# Altium PCB UltraZOhm_CarrierBoard.PcbDoc (part 5 of 12)
Units mm, origin at the board's own origin, x right, y up, seen from the top; angles counter-clockwise.
Board outline 350 x 128 mm, 6 copper layers (Top Layer, L02_GND, L03_Sig, L04_Sig, L05_VCC, Bottom Layer), stack 2.021 mm thick; 851 components, 1243 nets, 4332 pads, 2446 vias.
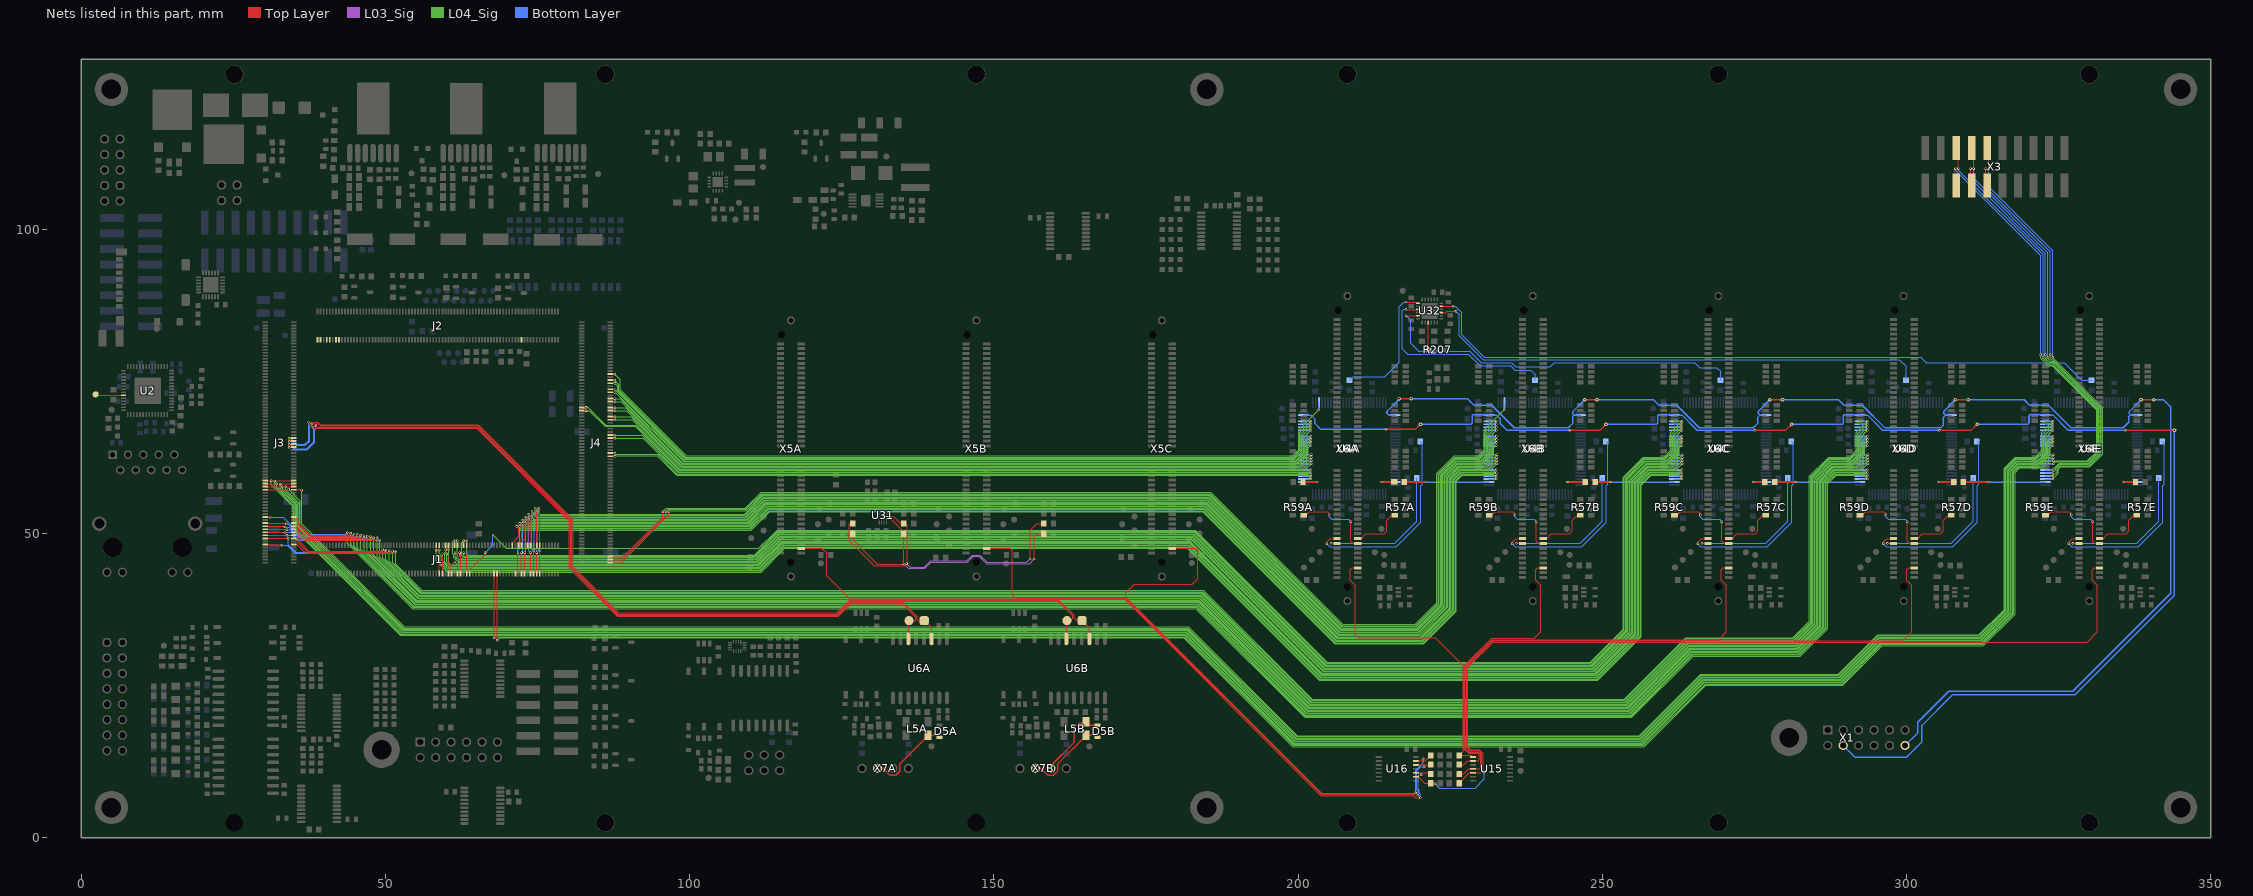
[diagram p9: the nets of this part, all layers, seen from the top]

## Via types
v1: diameter 0.4, hole 0.2, Top Layer to Bottom Layer, tented bottom, 866 vias
v2: diameter 0.4, hole 0.2, Top Layer to Bottom Layer, tented both sides, 783 vias
v3: diameter 0.6, hole 0.3, Top Layer to Bottom Layer, tented both sides, 508 vias
v4: diameter 0.6, hole 0.3, Top Layer to Bottom Layer, tented bottom, 276 vias
v5: diameter 0.5, hole 0.2, Top Layer to Bottom Layer, tented bottom, 5 vias
v6: diameter 0.5, hole 0.3, Top Layer to Bottom Layer, tented bottom, 5 vias
v7: diameter 1, hole 0.5, Top Layer to Bottom Layer, tented bottom, 2 vias
v8: diameter 0.4, hole 0.2, Top Layer to Bottom Layer, 1 vias

## Nets (pads, with @x,y where several pads share a name; then routed paths per layer and width w, separated by ;. In a path a pad name is that pad's centre, name@x,y a point inside that pad or via, vN(x,y) a via of type N, cw(c..) or ccw(c..) an arc to the next point about the centre after c; other vN are vias at no path point) (continued)
CAN_HB: D5B.1 L5B.3 X7B.2 | length 12.7
  Top Layer w0.254: X7B.2@159.366,11.443 159.366,11.875 163.188,15.698 163.188,18.085 163.976,18.873 164.94,18.873 L5B.3@165.169,19.101 165.743,18.527 D5B.1@167.037,18.527
CAN_LA: D5A.2 L5A.2 X7A.3 | length 14.2
  Top Layer w0.254: X7A.3@130.873,11.443 131.813,11.443 132.944,10.312 133.858,10.312 134.518,10.973 134.518,12.152 L5A.2@139.217,16.851 140.761,16.851 D5A.2@141.085,16.527
CAN_LB: D5B.2 L5B.2 X7B.3 | length 14.2
  Top Layer w0.254: X7B.3@156.826,11.443 157.765,11.443 158.896,10.313 159.81,10.313 160.471,10.973 160.471,12.153 L5B.2@165.169,16.851 166.713,16.851 D5B.2@167.037,16.527
CAN_RXD1: J3.77 P1A.1 U6A.3 | length 131.7
  Top Layer w0.1: v2(34.2,64.2) 34.921,64.2 J3.77@34.957,64.236 ; v1(38.587,67.709) 38.796,67.5 65.114,67.5 80.45,52.164 80.45,44.384 88.234,36.6 124.366,36.6 126.466,38.7 135.083,38.7 137.4,36.383 137.4,35.9 137.568,35.732 P1A.1@138.577,35.732
  Top Layer w0.2: P1A.1@138.577,35.732 139.759,34.55 U6A.3@139.759,32.72
  Bottom Layer w0.1: v2(34.2,64.2) 34.717,64.2 35.117,63.8 37.183,63.8 38.4,65.017 38.4,67.105 38.55,67.255 38.55,67.672 v1(38.587,67.709)
CAN_RXD2: J3.83 P1B.1 U6B.3 | length 158.4
  Top Layer w0.1: v2(34.2,65.7) 34.236,65.736 J3.83@34.957,65.736 ; v1(37.375,68.325) 37.4,68.35 38.929,68.35 39.379,67.9 65.28,67.9 80.85,52.33 80.85,44.55 88.4,37 124.2,37 126.3,39.1 160.683,39.1 163.2,36.583 163.2,36.1 163.587,35.713 P1B.1@164.509,35.713
  Top Layer w0.2: P1B.1@164.529,35.733 165.712,34.551 U6B.3@165.712,32.72
  Bottom Layer w0.1: v2(34.2,65.7) 34.5,65.7 35.5,64.7 36.8,64.7 37.4,65.3 v1@37.4,68.3
CAN_TXD1: J3.79 P1A.2 U6A.6 | length 130.9
  Top Layer w0.1: v2(34.2,64.7) 34.236,64.736 J3.79@34.957,64.736 ; v1(38.102,67.478) 38.28,67.3 65.031,67.3 80.25,52.081 80.25,44.301 88.151,36.4 124.449,36.4 126.549,38.5 135,38.5 137.2,36.3 137.2,35.9 137.012,35.712 P1A.2@136.057,35.712
  Top Layer w0.2: U6A.6@135.949,32.72 136.051,32.822 P1A.2@136.051,35.712
  Bottom Layer w0.1: v2(34.2,64.7) 34.5,64.7 35.2,64 37.1,64 38.2,65.1 38.2,67.38 v1(38.102,67.478)
CAN_TXD2: J3.81 P1B.2 U6B.6 | length 156.8
  Top Layer w0.1: v2(34.2,65.2) 34.236,65.236 J3.81@34.957,65.236 ; v1(37.8,68) 37.859,68.059 38.937,68.059 39.296,67.7 65.197,67.7 80.65,52.247 80.65,44.467 88.317,36.8 124.283,36.8 126.383,38.9 160.6,38.9 163,36.5 163,36.1 162.613,35.713 P1B.2@162.009,35.713 P1B.2@162.003,35.713
  Top Layer w0.2: U6B.6@161.902,32.72 162.003,32.822 P1B.2@162.003,35.713
  Bottom Layer w0.1: v2(34.2,65.2) 34.7,65.2 35.4,64.5 36.883,64.5 37.6,65.217 37.6,67.8 v1(37.8,68)
CLK0_N: J2.1
CLK0_P: J2.3
CLK7_N: J2.15
CLK7_P: J2.13
CLK8_N: J2.9
CLK8_P: J2.7
CLK_125MHZ: TP43.1 U2.9 | length 4.7
  Top Layer w0.15: TP43.1@2.401,72.895 2.541,72.755 U2.9@6.995,72.755
CLKIN: R207.1 U32.21 | length 4.5
  Top Layer w0.2: U32.21@221.354,84.699 221.354,80.302 R207.1@221.451,80.205
COLLECTIVE_A_FLT1: R116.2 U16.10 X5A.78 | length 128.3
  Top Layer w0.1: X5A.78@118.34,47.6 121.75,47.6 122.5,46.85 122.5,43.1 126.3,39.3 171.4,39.3 203.725,6.975 218.947,6.975 219.272,6.65 220.05,6.65 v1(220.1,6.6) ; U16.10@219.347,10.713 219.887,10.713 ; v1(220.2,10.4) 219.887,10.713 ; R116.2@221.791,10.519 221.597,10.713 219.887,10.713
  Bottom Layer w0.1: v1(220.1,6.6) 220.1,7.2 219.9,7.4 219.9,7.783 219.7,7.983 219.7,10.2 219.9,10.4 v1(220.2,10.4)
COLLECTIVE_A_FLT2: R117.2 U16.12 X5B.78 | length 100.4
  Top Layer w0.1: X5B.78@148.82,47.6 152.7,47.6 153,47.3 153,40 153.5,39.5 171.483,39.5 203.808,7.175 219.03,7.175 219.205,7 v1(219.7,7) ; U16.12@219.347,12.013 220.4,12.013 ; v1(220.7,11.7) 220.4,12 220.4,12.013 ; R117.2@221.791,12.043 221.343,12.043 221.313,12.013 220.4,12.013
  Bottom Layer w0.1: v1(219.7,7) 219.7,7.7 219.5,7.9 219.5,11.017 220.183,11.7 v1(220.7,11.7)
COLLECTIVE_A_FLT3: R119.2 U16.13 X5C.78 | length 92.9
  Top Layer w0.1: X5C.78@179.3,47.6 183.2,47.6 183.5,47.3 183.5,42.6 182.6,41.7 173.1,41.7 171.7,40.3 171.7,39.566 203.891,7.375 219.275,7.375 v1(219.3,7.4) ; U16.13@219.347,12.663 220.263,12.663 ; v1(220.6,13) 220.263,12.663 ; R119.2@221.791,13.567 220.887,12.663 220.263,12.663
  Bottom Layer w0.1: v1(219.3,7.4) 219.3,11.1 220.6,12.4 v1(220.6,13)
COLLECTIVE_D_FLT1: R111.2 U15.1 X6A.96 | length 49.6
  Top Layer w0.1: X6A.96@209.78,44.4 208.9,44.4 208.6,44.1 208.6,42.35 209.4,41.55 209.4,33.4 209.9,32.9 222.5,32.9 227.1,28.3 227.1,14.228 R111.2@226.439,13.567 228.487,13.567 U15.1@228.741,13.313
COLLECTIVE_D_FLT2: R112.2 U15.2 X6B.96 | length 47.8
  Top Layer w0.1: R112.2@226.439,12.043 227.243,12.043 227.863,12.663 U15.2@228.741,12.663 229.563,12.663 229.8,12.9 229.8,13.6 229.5,13.9 228,13.9 227.3,14.6 227.3,28.3 231.8,32.8 238.83,32.8 239.88,33.85 239.88,41.55 239.08,42.35 239.08,44.1 239.38,44.4 X6B.96@240.26,44.4
COLLECTIVE_D_FLT3: R113.2 U15.4 X6C.96 | length 79.7
  Top Layer w0.1: R113.2@226.439,10.519 227.219,10.519 228.063,11.363 U15.4@228.741,11.363 229.863,11.363 230,11.5 230,13.683 229.583,14.1 228.1,14.1 227.5,14.7 227.5,28.217 231.883,32.6 269.11,32.6 270.36,33.85 270.36,41.55 269.56,42.35 269.56,44.1 269.86,44.4 X6C.96@270.74,44.4
COLLECTIVE_D_FLT4: R114.2 U15.5 X6D.96 | length 111.1
  Top Layer w0.1: R114.2@226.439,8.995 228.157,10.713 U15.5@228.741,10.713 228.755,10.7 230,10.7 230.2,10.9 230.2,13.766 229.666,14.3 228.217,14.3 227.7,14.817 227.7,28.134 231.966,32.4 299.39,32.4 300.84,33.85 300.84,41.55 300.04,42.35 300.04,44.1 300.34,44.4 X6D.96@301.22,44.4
COLLECTIVE_D_FLT5: R115.2 U16.9 X6E.96 | length 150.7
  Top Layer w0.1: U16.9@219.347,10.063 219.737,10.063 220.805,8.995 R115.2@221.791,8.995 221.887,8.9 v2(222.5,8.9) ; v1(230.6,10.8) 230.4,11 230.4,13.849 229.749,14.5 228.3,14.5 227.9,14.9 227.9,28.051 232.049,32.2 329.67,32.2 331.32,33.85 331.32,41.55 330.52,42.35 330.52,44.1 330.82,44.4 X6E.96@331.7,44.4
  Bottom Layer w0.1: v2(222.5,8.9) 223.2,8.2 229.1,8.2 230.6,9.7 v1(230.6,10.8)
CPLD_CLK1: R71A.1 U32.13 | length 22
  Top Layer w0.2: v1(217.725,88.075) 219.477,88.075 U32.13@219.704,87.849
  Bottom Layer w0.2: R71A.1@208.453,75.202 209.051,75.8 214.2,75.8 216.6,78.2 216.6,87.3 217.375,88.075 v1(217.725,88.075)
CPLD_CLK2: R71B.1 U32.15 | length 33.5
  Top Layer w0.2: v1(217.725,86.85) 217.751,86.824 219.704,86.824 U32.15@219.704,86.849
  Bottom Layer w0.2: v1(217.725,86.85) 217.35,86.85 217.1,86.6 217.1,80.4 218,79.5 227.993,79.5 229.893,77.6 234.9,77.6 235.6,76.9 238.2,76.9 238.933,76.167 R71B.1@238.933,75.202
CPLD_CLK3: R71C.1 U32.17 | length 61.7
  Top Layer w0.2: v1(217.725,85.85) v1(217.725,85.85) U32.17@219.704,85.849
  Bottom Layer w0.2: v1(217.725,85.85) 218.5,85.075 218.5,81.3 219.8,80 228.2,80 230.1,78.1 235.1,78.1 235.8,77.4 241.4,77.4 242.1,78.1 265.2,78.1 266,77.3 268.8,77.3 269.413,76.687 R71C.1@269.413,75.202
CPLD_CLK4: R71D.1 U32.3 | length 84.5
  Top Layer w0.2: U32.3@223.504,86.349 224.274,86.349 224.45,86.525 v1(225.925,86.525)
  Bottom Layer w0.2: v1(225.925,86.525) 226.5,85.95 226.5,82.534 230.434,78.6 298.8,78.6 299.893,77.507 R71D.1@299.893,75.202
CPLD_CLK5: R71E.1 U32.5 | length 114.1
  Top Layer w0.2: U32.5@223.504,87.349 225.399,87.349 v1(225.45,87.4)
  Bottom Layer w0.2: v1(225.45,87.4) 225.8,87.4 226.9,86.3 226.9,82.7 230.6,79 302.3,79 303.2,78.1 325.9,78.1 328.798,75.202 R71E.1@330.373,75.202
CPLD_DIGIN_01A: R70A.1 X6A.83 | length 33
  Top Layer w0.1: v1(204.7,48.35) 204.7,48.6 205.3,49.2 X6A.83@206.38,49.2
  Bottom Layer w0.1: v1(204.7,48.35) 205.2,47.85 216.1,47.85 220.15,51.9 220.15,57.9 220.4,58.15 220.4,64.832 R70A.1@220.075,65.158
CPLD_DIGIN_01B: R70B.1 X6B.83 | length 33
  Top Layer w0.1: v1(235.18,48.35) 235.18,48.6 235.78,49.2 X6B.83@236.86,49.2
  Bottom Layer w0.1: v1(235.18,48.35) 235.68,47.85 246.58,47.85 250.63,51.9 250.63,57.9 250.88,58.15 250.88,64.832 R70B.1@250.555,65.158
CPLD_DIGIN_01C: R70C.1 X6C.83 | length 33
  Top Layer w0.1: v1(265.66,48.35) 265.66,48.6 266.26,49.2 X6C.83@267.34,49.2
  Bottom Layer w0.1: v1(265.66,48.35) 266.16,47.85 277.06,47.85 281.11,51.9 281.11,57.9 281.36,58.15 281.36,64.832 R70C.1@281.035,65.158
CPLD_DIGIN_01D: R70D.1 X6D.83 | length 33
  Top Layer w0.1: v1(296.14,48.35) 296.14,48.6 296.74,49.2 X6D.83@297.82,49.2
  Bottom Layer w0.1: v1(296.14,48.35) 296.64,47.85 307.54,47.85 311.59,51.9 311.59,57.9 311.84,58.15 311.84,64.832 R70D.1@311.515,65.158
CPLD_DIGIN_01E: R70E.1 X6E.83 | length 33
  Top Layer w0.1: v1(326.62,48.35) 326.62,48.6 327.22,49.2 X6E.83@328.3,49.2
  Bottom Layer w0.1: v1(326.62,48.35) 327.12,47.85 338.02,47.85 342.07,51.9 342.07,57.9 342.32,58.15 342.32,64.832 R70E.1@341.995,65.158
CPLD_DIGIN_02A: R72A.1 X6A.85 | length 23.7
  Top Layer w0.1: v2(205.4,48.4) X6A.85@206.38,48.4
  Bottom Layer w0.1: v2(205.4,48.4) 215.85,48.4 219.529,52.079 R72A.1@219.529,59.162
CPLD_DIGIN_02B: R72B.1 X6B.85 | length 23.7
  Top Layer w0.1: v2(235.88,48.4) X6B.85@236.86,48.4
  Bottom Layer w0.1: v2(235.88,48.4) 246.33,48.4 250.009,52.079 R72B.1@250.009,59.162
CPLD_DIGIN_02C: R72C.1 X6C.85 | length 23.7
  Top Layer w0.1: v2(266.36,48.4) X6C.85@267.34,48.4
  Bottom Layer w0.1: v2(266.36,48.4) 276.81,48.4 280.489,52.079 R72C.1@280.489,59.162
CPLD_DIGIN_02D: R72D.1 X6D.85 | length 23.7
  Top Layer w0.1: v2(296.84,48.4) X6D.85@297.82,48.4
  Bottom Layer w0.1: v2(296.84,48.4) 307.29,48.4 310.969,52.079 R72D.1@310.969,59.162
CPLD_DIGIN_02E: R72E.1 X6E.85 | length 23.7
  Top Layer w0.1: v2(327.32,48.4) X6E.85@328.3,48.4
  Bottom Layer w0.1: v2(327.32,48.4) 337.77,48.4 341.449,52.079 R72E.1@341.449,59.162
CPLD_DIGOUT_01A: R57A.8 X6A.84 | length 8.8
  Top Layer w0.1: X6A.84@209.78,49.2 210.35,49.2 211.15,50 214.15,50 214.6,50.45 214.6,52.25 215.398,53.048 R57A.8@215.9,53.048
CPLD_DIGOUT_01B: R57B.8 X6B.84 | length 8.8
  Top Layer w0.1: X6B.84@240.26,49.2 240.83,49.2 241.63,50 244.63,50 245.08,50.45 245.08,52.25 245.878,53.048 R57B.8@246.38,53.048
CPLD_DIGOUT_01C: R57C.8 X6C.84 | length 8.8
  Top Layer w0.1: X6C.84@270.74,49.2 271.31,49.2 272.11,50 275.11,50 275.56,50.45 275.56,52.25 276.358,53.048 R57C.8@276.86,53.048
CPLD_DIGOUT_01D: R57D.8 X6D.84 | length 8.8
  Top Layer w0.1: X6D.84@301.22,49.2 301.79,49.2 302.59,50 305.59,50 306.04,50.45 306.04,52.25 306.838,53.048 R57D.8@307.34,53.048
CPLD_DIGOUT_01E: R57E.8 X6E.84 | length 8.8
  Top Layer w0.1: X6E.84@331.7,49.2 332.27,49.2 333.07,50 336.07,50 336.52,50.45 336.52,52.25 337.318,53.048 R57E.8@337.82,53.048
CPLD_DIGOUT_02A: R59A.5 X6A.86 | length 13.5
  Top Layer w0.1: R59A.5@200.9,53.048 201.248,53.048 201.8,53.6 204.8,53.6 205.15,53.25 v2(205.15,53.1) ; v2(208.65,52) 208.65,48.75 209,48.4 X6A.86@209.78,48.4
  Bottom Layer w0.1: v2(205.15,53.1) 205.15,52.75 205.55,52.35 208.3,52.35 v2(208.65,52)
CPLD_DIGOUT_02B: R59B.5 X6B.86 | length 13.5
  Top Layer w0.1: R59B.5@231.38,53.048 231.728,53.048 232.28,53.6 235.28,53.6 235.63,53.25 v2(235.63,53.1) ; v2(239.13,52) 239.13,48.75 239.48,48.4 X6B.86@240.26,48.4
  Bottom Layer w0.1: v2(235.63,53.1) 235.63,52.75 236.03,52.35 238.78,52.35 v2(239.13,52)
CPLD_DIGOUT_02C: R59C.5 X6C.86 | length 13.5
  Top Layer w0.1: R59C.5@261.86,53.048 262.208,53.048 262.76,53.6 265.76,53.6 266.11,53.25 v2(266.11,53.1) ; v2(269.61,52) 269.61,48.75 269.96,48.4 X6C.86@270.74,48.4
  Bottom Layer w0.1: v2(266.11,53.1) 266.11,52.75 266.51,52.35 269.26,52.35 v2(269.61,52)
CPLD_DIGOUT_02D: R59D.5 X6D.86 | length 13.5
  Top Layer w0.1: R59D.5@292.34,53.048 292.688,53.048 293.278,53.638 296.202,53.638 296.59,53.25 v2(296.59,53.1) ; v2(300.09,52) 300.09,48.75 300.44,48.4 X6D.86@301.22,48.4
  Bottom Layer w0.1: v2(296.59,53.1) 296.59,52.75 296.99,52.35 299.74,52.35 v2(300.09,52)
CPLD_DIGOUT_02E: R59E.5 X6E.86 | length 13.5
  Top Layer w0.1: R59E.5@322.82,53.048 323.168,53.048 323.72,53.6 326.72,53.6 327.07,53.25 v2(327.07,53.1) ; v2(330.57,52) 330.57,48.75 330.92,48.4 X6E.86@331.7,48.4
  Bottom Layer w0.1: v2(327.07,53.1) 327.07,52.75 327.47,52.35 330.22,52.35 v2(330.57,52)
CPLD_TCK: U4A.24 U4B.24 U4C.24 U4D.24 U4E.24 X1.4 | length 251.2
  Top Layer w0.254: v1(214.5,67.2) 219.3,67.2 v4(220.1,68) ; v1(244.653,67.031) 249.631,67.031 v4(250.6,68) ; v1(275.031,66.98) 280.08,66.98 v4(281.1,68) ; v1(305.384,66.98) 310.58,66.98 v4(311.6,68) ; v1(335.89,67.005) 343.995,67.005 v4(344,67)
  Bottom Layer w0.254: U4A.24@200.857,69.488 202.112,69.488 202.75,68.85 202.75,68.1 203.65,67.2 v1(214.5,67.2) ; v4(220.1,68) 228.4,68 228.6,68.2 228.6,69.4 228.741,69.541 231.337,69.541 U4B.24@231.337,69.488 232.592,69.488 233.23,68.85 233.23,68.1 234.33,67 234.361,67.031 v1(244.653,67.031) ; v4(250.6,68) 258.9,68 259.1,68.2 259.1,69.4 259.241,69.541 261.817,69.541 U4C.24@261.817,69.488 263.072,69.488 265.58,66.98 v1(275.031,66.98) ; v4(281.1,68) 289.4,68 289.6,68.2 289.6,69.4 289.741,69.541 292.297,69.541 U4D.24@292.297,69.488 293.552,69.488 296.06,66.98 v1(305.384,66.98) ; X1.4@289.572,15.199 291.471,13.3 300,13.3 302.5,15.8 302.5,18.5 307.5,23.5 327.6,23.5 344,39.9 v4(344,67) ; v4(311.6,68) 319.9,68 320.1,68.2 320.1,69.4 320.241,69.541 322.777,69.541 U4E.24@322.777,69.488 324.032,69.488 326.515,67.005 v1(335.89,67.005)
CPLD_TDI1: R212.2 U4A.2 | length 4.5
  Top Layer w0.254: R212.2@200.8,58.5 v1(203.1,58.5)
  Bottom Layer w0.254: U4A.2@200.857,58.488 203.088,58.488 v1(203.1,58.5)
CPLD_TDI2: R213.2 U4B.2 | length 13.9
  Top Layer w0.254: R213.2@217.4,58.5 v1(220.9,58.5)
  Bottom Layer w0.254: v1(220.9,58.5) 220.912,58.488 U4B.2@231.337,58.488
CPLD_TDI3: R214.2 U4C.2 | length 13
  Top Layer w0.254: R214.2@248.8,58.5 v1(251.4,58.5)
  Bottom Layer w0.254: v1(251.4,58.5) 251.412,58.488 U4C.2@261.817,58.488
CPLD_TDI4: R215.2 U4D.2 | length 14
  Top Layer w0.254: R215.2@278.3,58.5 v1(281.8,58.5)
  Bottom Layer w0.254: v1(281.8,58.5) 281.812,58.488 U4D.2@292.297,58.488
CPLD_TDI5: R216.2 U4E.2 | length 13.5
  Top Layer w0.254: R216.2@309.3,58.5 v1(313.5,58.5)
  Bottom Layer w0.254: v1(313.5,58.5) 313.512,58.488 U4E.2@322.777,58.488
CPLD_TDO1: R213.1 U4A.74 | length 4.4
  Top Layer w0.254: v1(213.7,58.5) R213.1@215.8,58.5
  Bottom Layer w0.254: v1(213.7,58.5) 215.162,58.5 215.165,58.496 215.948,58.496 U4A.74@215.957,58.488
CPLD_TDO2: R214.1 U4B.74 | length 5.2
  Top Layer w0.254: v1(244.2,58.5) R214.1@247.2,58.5
  Bottom Layer w0.254: v1(244.2,58.5) 245.642,58.5 245.645,58.496 246.428,58.496 U4B.74@246.437,58.488
CPLD_TDO3: R215.1 U4C.74 | length 4
  Top Layer w0.254: v1(274.8,58.5) R215.1@276.7,58.5
  Bottom Layer w0.254: v1(274.8,58.5) 276.122,58.5 276.125,58.496 276.908,58.496 U4C.74@276.917,58.488
CPLD_TDO4: R216.1 U4D.74 | length 4.5
  Top Layer w0.254: v1(305.3,58.5) R216.1@307.7,58.5
  Bottom Layer w0.254: v1(305.3,58.5) 306.602,58.5 306.605,58.496 307.388,58.496 U4D.74@307.397,58.488
CPLD_TDO5: R217.1 U4E.74 | length 4.1
  Top Layer w0.254: v1(335.7,58.5) R217.1@337.6,58.5
  Bottom Layer w0.254: v1(335.7,58.5) 335.712,58.488 U4E.74@337.877,58.488
CPLD_TMS: U4A.52 U4B.52 U4C.52 U4D.52 U4E.52 X1.12 | length 242.5
  Top Layer w0.254: v3(216.6,72.2) v4(218.6,72.2) ; v3(247.1,72) v4(249.1,72) ; v3(277.5,72) v4(279.6,72) ; v3(308,72) v4(310.1,72) ; v3(338.5,72) v4(340.6,72)
  Bottom Layer w0.254: U4A.52@215.957,69.488 214.912,69.488 214.6,69.8 214.6,70.1 216.6,72.1 v3(216.6,72.2) ; v4(218.6,72.2) 227.8,72.2 228.9,71.1 231.8,71.1 235.5,67.4 244.4,67.4 245.1,68.1 245.1,69.2 245.388,69.488 ; U4B.52@246.437,69.488 245.388,69.488 ; v3(247.1,72) 245.1,70 245.1,69.775 245.388,69.488 ; v4(249.1,72) 258.4,72 259.3,71.1 262.2,71.1 265.9,67.4 274.8,67.4 275.5,68.1 275.5,69.1 275.888,69.488 ; U4C.52@276.917,69.488 275.888,69.488 ; v3(277.5,72) 275.6,70.1 275.6,69.775 275.888,69.488 ; v4(279.6,72) 288.8,72 289.7,71.1 292.7,71.1 296.363,67.437 305.637,67.437 306,67.8 306,69.1 306.388,69.488 ; X1.12@299.732,15.199 301.8,17.266 301.8,19 306.9,24.1 327.3,24.1 343.4,40.2 343.4,70.8 342.2,72 v4(340.6,72) ; U4D.52@307.397,69.488 306.388,69.488 ; v3(308,72) 306.1,70.1 306.1,69.7 306.175,69.7 306.388,69.488 ; v4(310.1,72) 319.3,72 320.2,71.1 323.3,71.1 327,67.4 335.573,67.4 336.5,68.327 336.5,69.2 336.788,69.488 ; U4E.52@337.877,69.488 336.788,69.488 ; v3(338.5,72) 336.6,70.1 336.6,69.675 336.788,69.488
CS_fastADC_01_3V3: R28A.2 R28B.2 R28C.2 U31.9 | length 48.8
  Top Layer w0.1: R28A.2@126.8,50 126.875,49.925 126.875,48.95 130.867,44.958 135.023,44.958 v1(135.15,45.085) 135.2,45.135 R28B.2@135.2,50 135.2,50.3 133.065,52.435 U31.9@132.525,52.435 ; v1(156.667,45.847) 156.667,49.606 157.074,50.013 158.187,50.013 R28C.2@158.2,50
  L03_Sig w0.1: v1(135.15,45.085) 135.928,44.307 138.653,44.307 139.685,45.339 145.625,45.339 146.574,46.288 147.605,46.288 148.815,45.078 155.898,45.078 v1(156.667,45.847)
CS_fastADC_02_3V3: R29A.1 R29B.1 R29C.1 U31.10 | length 54.5
  Top Layer w0.1: R29A.1@126.8,51.667 126.792,51.675 126.259,51.675 126.2,51.616 126.2,48.867 130.338,44.729 135.294,44.729 v1(135.65,45.085) 135.8,45.235 135.8,51.4 135.533,51.667 R29B.1@135.2,51.667 135.2,51.717 134.583,51.717 133.465,52.835 U31.10@132.525,52.835 ; v1(155.981,45.847) 155.981,50.571 157.077,51.667 R29C.1@158.2,51.667
  L03_Sig w0.1: v1(135.65,45.085) 136.228,44.507 138.57,44.507 139.643,45.58 145.583,45.58 146.492,46.488 147.688,46.488 148.898,45.278 155.413,45.278 v1(155.981,45.847)
DDR_1V2: J2.135
DIG_01_CH1: J4.71 U4A.3 | length 118.1
  Top Layer w0.1: J4.71@86.957,62.736 87.664,62.736 v2(87.7,62.7)
  L04_Sig w0.1: v2(87.7,62.7) 87.84,62.84 94.66,62.84 97.9,59.6 201.5,59.6 v1(202.1,59)
  Bottom Layer w0.1: U4A.3@200.857,58.988 202.088,58.988 v1(202.1,59)
DIG_01_CH2: J1.130 U4B.3 | length 200.6
  Top Layer w0.1: J1.130@70.872,48.121 70.872,48.472 71.95,49.55 71.95,50.85 v1(71.6,51.2)
  L04_Sig w0.1: v1(71.6,51.2) 72.2,50.6 110.134,50.6 113.134,53.6 184.343,53.6 206.043,31.9 220.605,31.9 226,37.295 226,58.6 227,59.6 231.98,59.6 v1(232.58,59)
  Bottom Layer w0.1: U4B.3@231.337,58.988 232.568,58.988 v1(232.58,59)
DIG_01_CH3: J1.80 U4C.3 | length 248.7
  Top Layer w0.1: v2(58.35,47.3) 58.372,47.322 J1.80@58.372,48.121
  L04_Sig w0.1: v2(58.35,47.3) 58.35,45.55 60.2,43.7 111.766,43.7 115.666,47.6 181.803,47.6 203.503,25.9 249.228,25.9 256.4,33.072 256.4,57.997 258.003,59.6 262.46,59.6 v1(263.06,59)
  Bottom Layer w0.1: U4C.3@261.817,58.988 263.048,58.988 v1(263.06,59)
DIG_01_CH4: J3.32 U4D.3 | length 310
  Top Layer w0.1: J3.32@30.287,52.736 31.014,52.736 v2(31.05,52.7)
  L04_Sig w0.1: v1(43.75,50.15) 43.75,48.45 54.5,37.7 183.177,37.7 201.077,19.8 254.823,19.8 264.923,29.9 282.505,29.9 287,34.395 287,58.172 288.428,59.6 292.94,59.6 v1(293.54,59)
  Bottom Layer w0.1: v2(31.05,52.7) 33.25,52.7 36.05,49.9 43.5,49.9 v1(43.75,50.15) ; U4D.3@292.297,58.988 293.528,58.988 v1(293.54,59)
DIG_01_CH5: U4E.3 X3.5 | length 69.7
  Top Layer w0.1: X3.5@313.217,113.41 313.5,113.127 v1(313.5,110)
  L04_Sig w0.1: v1@323.957,78.957 332.2,70.714 332.2,63.086 330.114,61 325.319,61 325.319,60.992 324.926,60.6 324.926,59.911 324.02,59.005 v1(324.02,59)
  Bottom Layer w0.1: v1(313.5,110) 313.5,107.028 323.999,96.529 v1(323.999,79) ; U4E.3@322.777,58.988 324.008,58.988 v1(324.02,59)
DIG_02_CH1: J4.73 U4A.4 | length 117.9
  Top Layer w0.1: J4.73@86.957,63.236 87.664,63.236 v2(87.7,63.2)
  L04_Sig w0.1: v2(87.7,63.2) 87.848,63.052 94.748,63.052 98,59.8 201.6,59.8 201.9,59.5 v1(202.1,59.5)
  Bottom Layer w0.1: U4A.4@200.857,59.488 v1@202.1,59.488
DIG_02_CH2: J1.131 U4B.4 | length 204.4
  Top Layer w0.1: J1.131@71.372,43.451 71.372,43.76 71.8,44.189 v1(71.8,46.9)
  L04_Sig w0.1: v1(72.1,51.2) 72.1,50.983 72.283,50.8 110.051,50.8 113.051,53.8 184.426,53.8 206.126,32.1 220.523,32.1 225.8,37.377 225.8,58.683 226.917,59.8 232.08,59.8 232.38,59.5 v1(232.58,59.5)
  Bottom Layer w0.1: v1(71.8,46.9) 71.8,47.3 72.1,47.6 v1(72.1,51.2) ; U4B.4@231.337,59.488 v1@232.58,59.488
DIG_02_CH3: J1.81 U4C.4 | length 249.1
  Top Layer w0.1: v1(58.85,46.25) 58.872,46.228 J1.81@58.872,43.451
  L04_Sig w0.1: v1(58.85,46.25) 58.85,45.35 60.3,43.9 111.683,43.9 115.583,47.8 181.886,47.8 203.586,26.1 249.146,26.1 256.2,33.154 256.2,58.08 257.92,59.8 262.56,59.8 262.86,59.5 v1(263.06,59.5)
  Bottom Layer w0.1: U4C.4@261.817,59.488 v1@263.06,59.488
DIG_02_CH4: J3.31 U4D.4 | length 305.6
  Top Layer w0.1: J3.31@34.957,52.736 35.267,52.736 35.7,52.303 35.7,51.75 37.7,49.75 44,49.75 v1(44.3,50.05)
  L04_Sig w0.1: v1(44.3,50.05) 44.3,48.2 54.6,37.9 183.26,37.9 201.16,20 254.74,20 264.84,30.1 282.423,30.1 286.8,34.477 286.8,58.254 288.346,59.8 293.04,59.8 293.34,59.5 v1(293.54,59.5)
  Bottom Layer w0.1: U4D.4@292.297,59.488 v1@293.54,59.488
DIG_02_CH5: U4E.4 X3.15 | length 68.8
  Top Layer w0.1: v1(313,110) 313,107.404 X3.15@313.217,107.187
  L04_Sig w0.1: v1(323.599,79.4) 323.599,78.801 323.8,78.6 324.031,78.6 332,70.631 332,63.169 330.031,61.2 325.236,61.2 324.726,60.691 324.726,60.206 v1(324.02,59.5)
  Bottom Layer w0.1: v1(313,110) 313,106.963 323.599,96.363 v1(323.599,79.4) ; U4E.4@322.777,59.488 v1@324.02,59.488
DIG_03_CH1: J4.83 U4A.5 | length 118.8
  Top Layer w0.1: J4.83@86.957,65.736 87.655,65.736 v2(87.691,65.7)
  L04_Sig w0.1: v2(87.691,65.7) 92.4,65.7 98.1,60 v1(202.1,60)
  Bottom Layer w0.1: U4A.5@200.857,59.988 202.088,59.988 v1(202.1,60)
DIG_03_CH2: J1.134 U4B.5 | length 200.2
  Top Layer w0.1: J1.134@71.872,48.121 71.872,48.572 72.45,49.15 72.45,51.35 v1(72.1,51.7)
  L04_Sig w0.1: v1(72.1,51.7) 72.8,51 109.969,51 112.969,54 184.509,54 206.209,32.3 220.44,32.3 225.6,37.46 225.6,58.766 226.834,60 v1(232.58,60)
  Bottom Layer w0.1: U4B.5@231.337,59.988 232.568,59.988 v1(232.58,60)
DIG_03_CH3: J1.82 U4C.5 | length 247.7
  Top Layer w0.1: J1.82@58.872,48.121 58.872,47.328 v2(58.9,47.3)